# EAGLE board UI&KeyHolder&F7-order (EAGLE 9.4.0)
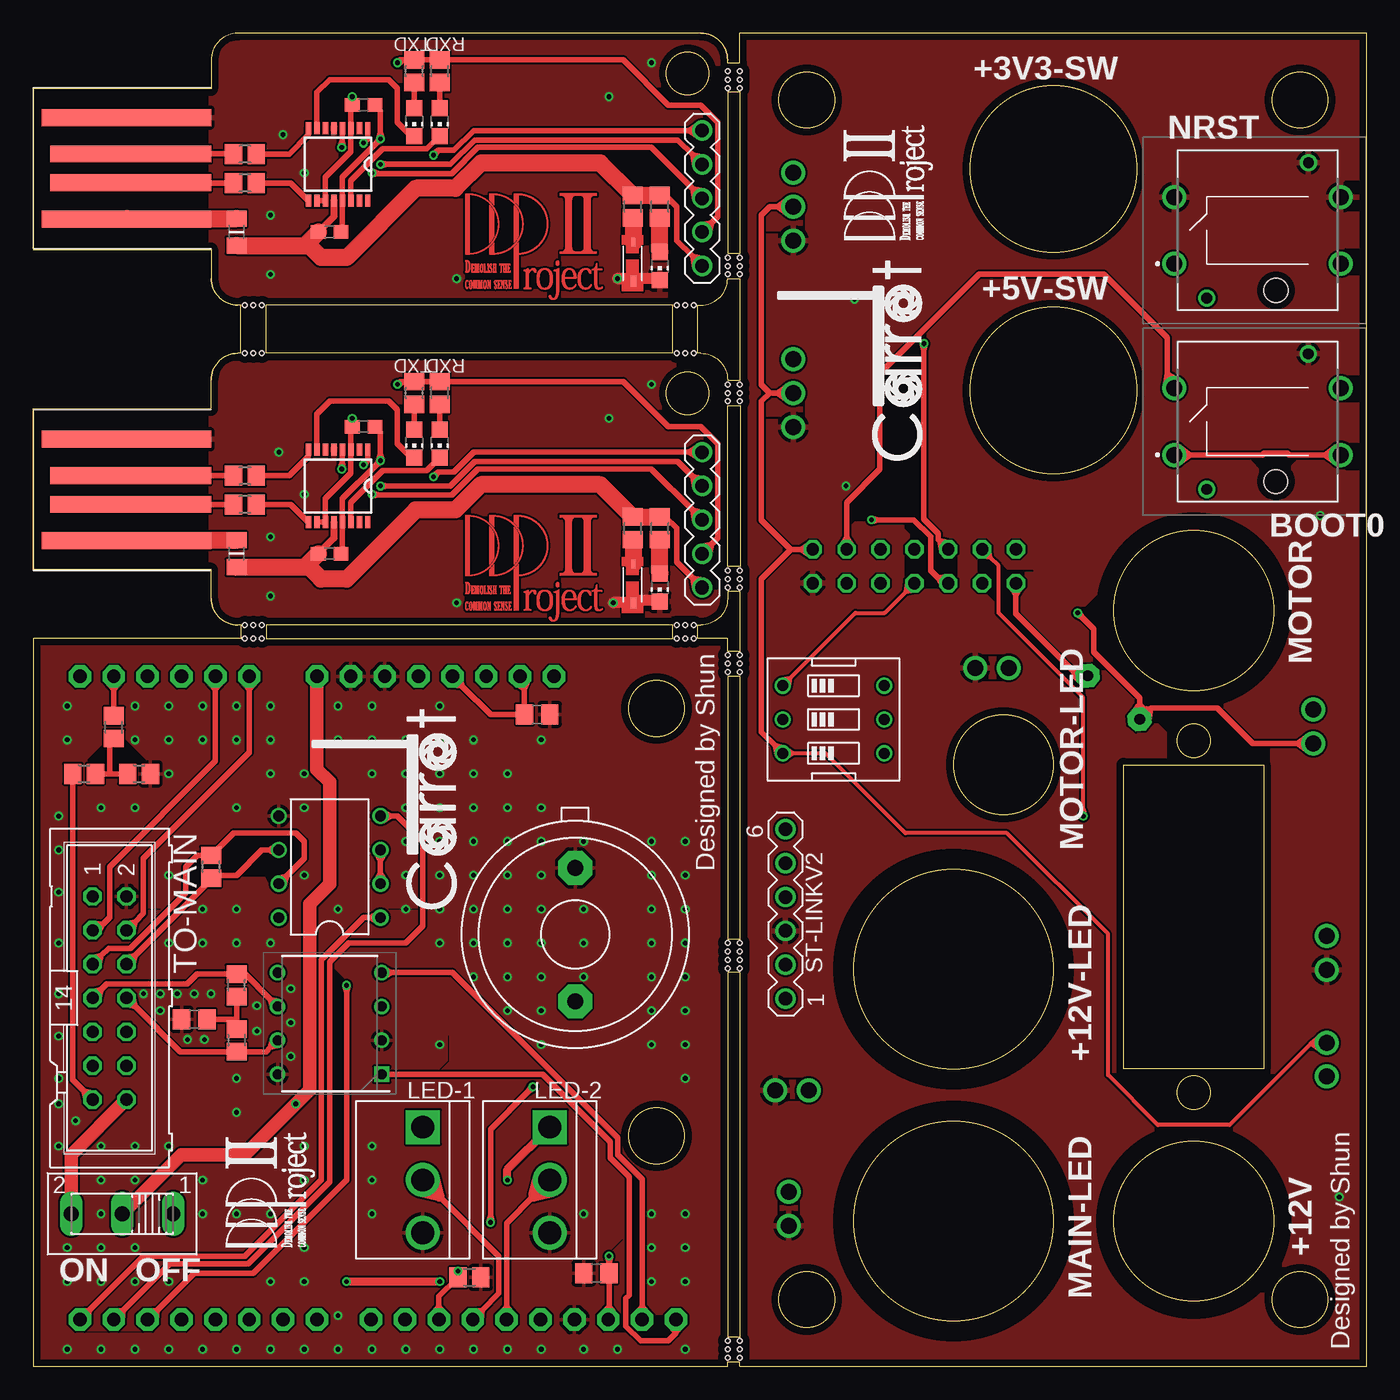
[diagram p0: board, top side]
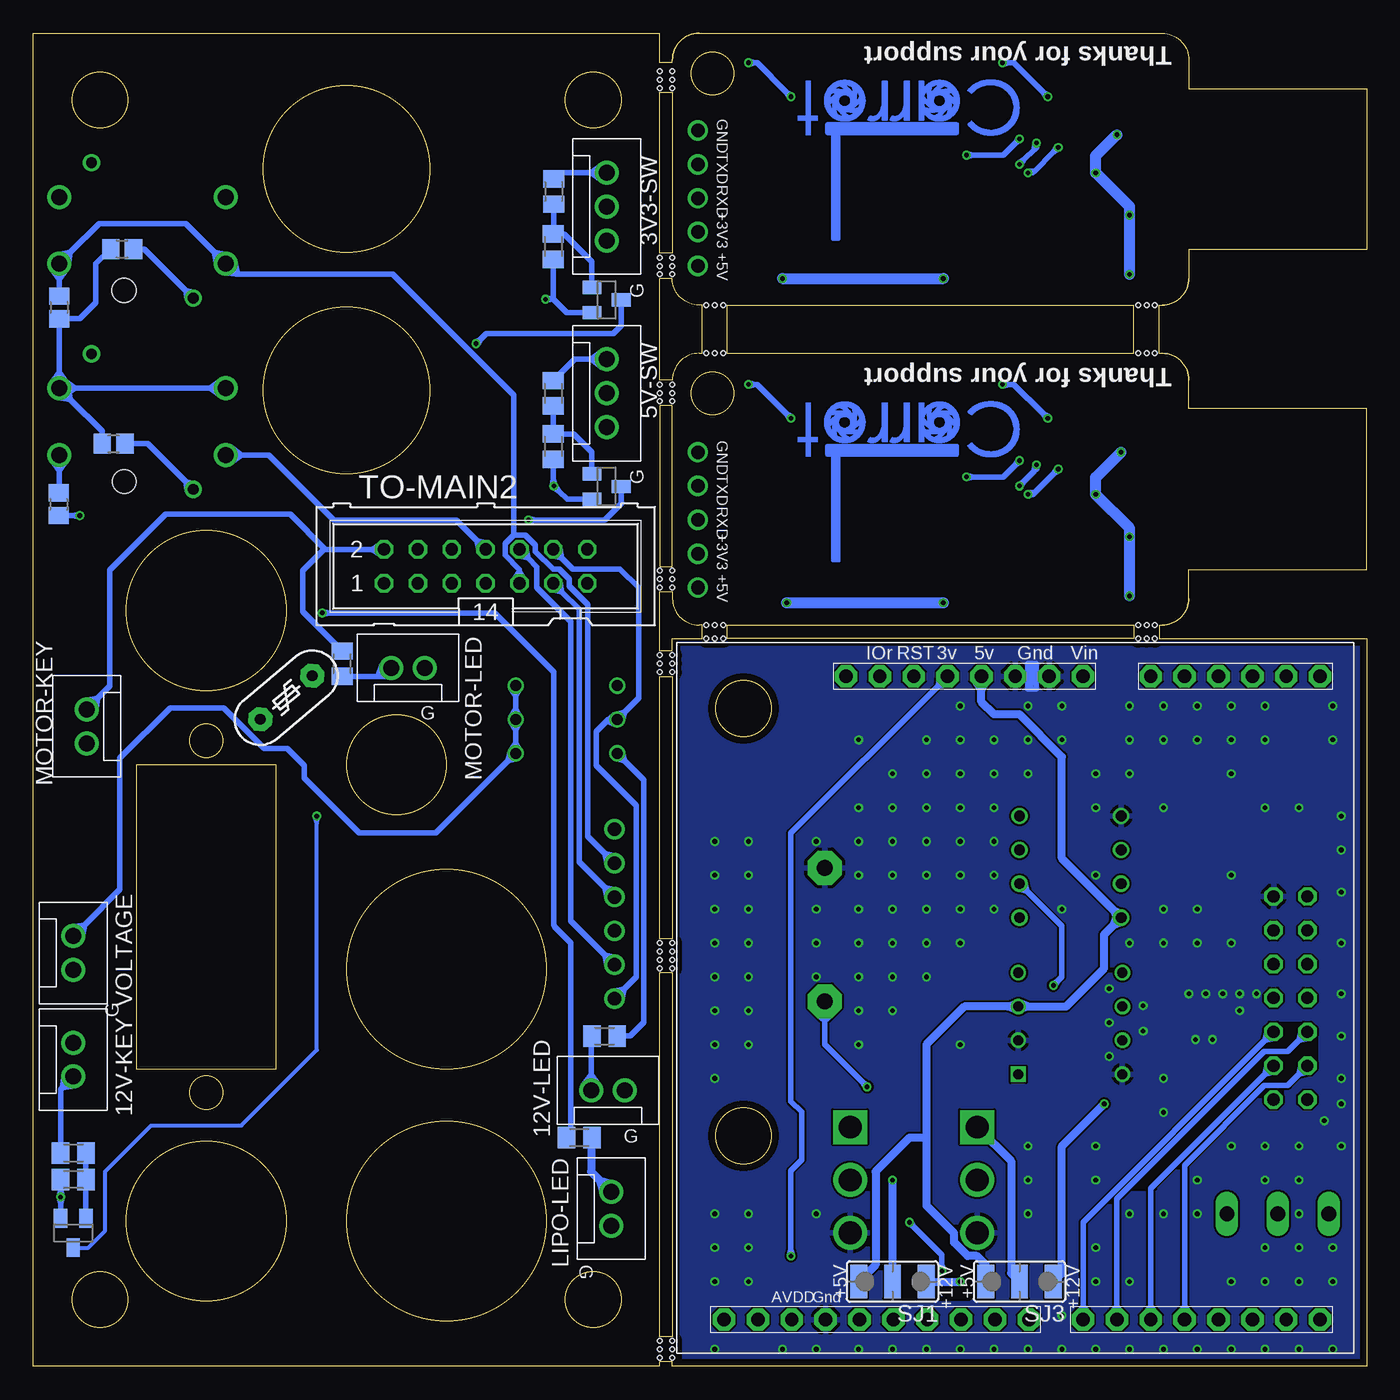
[diagram p1: board, bottom side, seen from below]

Size 100 x 100 mm. Coordinates in mm from the lower left corner, seen from the top.
Outline: 15.34,100 arc90 13.34,98
Outline: 50.07,100 arc-90 52.07,98
Outline: 15.34,79.61 arc-90 13.34,81.61
Outline: 13.34,73.99 arc-90 15.34,75.99
Outline: 15.34,55.61 arc-90 13.34,57.61
Outline: 13.34,57.61 arc90 15.34,55.61
Outline: 15.34,75.99 arc90 13.34,73.99
Outline: 13.34,81.61 arc90 15.34,79.61
Outline: 52.07,98 arc90 50.07,100
Outline: 50.07,100 15.34,100
Outline: 13.34,73.99 13.34,71.83 0,71.83 0,59.77 13.34,59.77 13.34,57.61
Outline: 13.34,73.99 arc-90 15.34,75.99
Outline: 15.34,55.61 arc-90 13.34,57.61
Outline: 13.34,81.61 13.34,83.78 0,83.78 0,95.84 13.34,95.84 13.34,98
Outline: 13.34,81.61 arc90 15.34,79.61
Outline: 15.34,100 arc90 13.34,98
Outline: 15.24,55.61 15.56,55.61 15.56,54.61 0,54.61 0,0 52.07,0 52.07,0.32 53,0.32 53,0 100,0 100,100 53,100 53,97.79 52.07,97.79 52.07,98
Outline: 15.34,79.61 15.56,79.61 15.56,75.99 15.34,75.99
Outline: 81.78,22.32 81.78,45.12 92.28,45.12 92.28,22.32 81.78,22.32
Outline: 50.07,75.99 arc-90 52.07,73.98 53.02,73.98 53.02,81.6 52.07,81.6 arc-90 50.07,79.61 49.85,79.61 49.85,75.99 50.07,75.99
Outline: 17.46,55.61 17.46,54.61 47.94,54.61 47.94,55.61 17.46,55.61
Outline: 49.85,54.61 49.85,55.61 50.07,55.61 arc90 52.07,57.61 52.07,58.1 53.02,58.1 53.02,53.66 52.07,53.66 52.07,54.61 49.85,54.61
Outline: 52.07,72.07 53.02,72.07 53.02,60.01 52.07,60.01 52.07,72.07
Outline: 52.07,32.07 53.02,32.07 53.02,51.75 52.07,51.75 52.07,32.07
Outline: 52.07,29.53 52.07,2.22 53.02,2.22 53.02,29.53 52.07,29.53
Outline: 47.94,75.99 47.94,79.61 17.46,79.61 17.46,75.99 47.94,75.99
Outline: 52.07,83.5 53.02,83.5 53.02,95.57 52.07,95.57 52.07,83.5
Outline: circle at 69.01,29.78 radius 7.5
Outline: circle at 87.03,20.52 radius 1.25
Outline: circle at 69.01,10.89 radius 7.5
Outline: circle at 95,5 radius 2.1
Outline: circle at 87.03,10.89 radius 6
Outline: circle at 58,5 radius 2.1
Outline: circle at 76.5,73.21 radius 6.25
Outline: circle at 76.5,89.84 radius 6.25
Outline: circle at 95,95 radius 2.1
Outline: circle at 58,95 radius 2.1
Outline: circle at 87.03,56.7 radius 6
Outline: circle at 87.03,46.92 radius 1.25
Outline: circle at 72.76,45.12 radius 3.75
Outline: circle at 46.74,49.34 radius 2.1
Outline: circle at 46.74,17.27 radius 2.1
Outline: circle at 49.07,97 radius 1.6
Outline: circle at 49.07,72.99 radius 1.6
Copper layers (1*16): Top 0.035mm / dielectric 1.6mm / Bottom 0.035mm
Design rules "Elecrow_2-layer_PCB_eagle_rule": minimum track width 6mil, minimum drill 12mil, track to track 6mil, track to pad 6mil, pad to pad 6mil, via to via 8mil, smd to smd 0mil, copper to edge 20mil, drill to drill 10mil, minimum pad ring 6mil, minimum via ring 6mil, stop-mask expansion 0mil, vias tented up to drill 100mil, thermal gap 10mil
Holes 0.35 mm at 52.07,0.64 52.07,1.27 52.07,1.91 52.07,31.75 52.07,31.11 52.07,30.48 52.07,29.84 52.07,52.07 52.07,53.34 52.07,52.7 53,52.07 53,53.34 53,52.7 53,31.75 53,31.11 53,30.48 53,29.84 53,0.64 53,1.27 53,1.91 49.53,54.61 48.9,54.61 48.26,54.61 17.14,54.61 15.88,54.61 16.51,54.61 52.07,59.69 52.07,59.05 52.07,73.66 52.07,73.03 52.07,72.39 52.07,81.92 52.07,83.19 52.07,82.55 52.07,95.89 52.07,97.16 52.07,96.52 16.51,55.61 15.88,55.61 17.14,55.61 48.26,55.61 48.9,55.61 49.53,55.61 53,59.69 53,58.42 53,59.05 53,73.66 53,73.03 53,72.39 52.07,58.42 15.88,75.99 16.51,75.99 17.14,75.99 49.53,75.99 48.9,75.99 48.26,75.99 15.88,79.61 16.51,79.61 17.14,79.61 48.26,79.61 48.9,79.61 49.53,79.61 53,81.92 53,82.55 53,83.19 53,96.52 53,97.16 53,95.89
tRestrict: area 60,1.9 to 78,19.9; area 79.7,3.6 to 94.3,18.2; area 60,20.8 to 78,38.8; area 79.7,49.4 to 94.3,64; 85 lines
bRestrict: 6 lines
Milling: 1 lines

## Footprints (pad centres in the part's own frame; a part is rotated, then mirrored left to right if it is on the bottom)
SOT23 = smd 1 x 1.4: 1 -0.95,-1.1; 2 0.95,-1.1; 3 0,1.1
CON3 = drill 1.2: P$1 -2.54,0; P$2 0,0; P$3 2.54,0
CON2 = drill 1.2: P$1 -1.27,0; P$2 1.27,0
R0805 = smd 1.3 x 1.5: 1 -0.85,0; 2 0.85,0
C1608 = smd 1.1 x 1: 1 -0.85,0; 2 0.85,0
C0805 = smd 1.3 x 1.5: 1 -0.95,0; 2 0.95,0
SSOP16 = smd 0.914 x 0.406: 1 -2.718,2.223; 2 -2.718,1.587; 3 -2.718,0.953; 4 -2.718,0.318; 5 -2.718,-0.318; 6 -2.718,-0.953; 7 -2.718,-1.587; 8 -2.718,-2.223; 9 2.718,-2.223; 10 2.718,-1.587; 11 2.718,-0.953; 12 2.718,-0.318; 13 2.718,0.318; 14 2.718,0.953; 15 2.718,1.587; 16 2.718,2.223
DIL08 = drill 0.813: 1 -3.81,-3.81; 2 -1.27,-3.81; 3 1.27,-3.81; 4 3.81,-3.81; 5 3.81,3.81; 6 1.27,3.81; 7 -1.27,3.81; 8 -3.81,3.81
DIP781W56P254L950H533Q8N = drill 0.759 pad 1.159 square: 1 -3.905,3.81 | drill 0.759 pad 1.159: 2 -3.905,1.27; 3 -3.905,-1.27; 4 -3.905,-3.81; 5 3.905,-3.81; 6 3.905,-1.27; 7 3.905,1.27; 8 3.905,3.81
CHIP-LED0805 = smd 1.2 x 1.2: A 0,-1.05; C 0,1.05
B3P-VH = drill 1.7 square: 1 -3.96,0 | drill 1.7: 2 0,0; 3 3.96,0
M0805 = smd 1.3 x 1.6: 1 -0.95,0; 2 0.95,0
255SB = drill 1.118 long: 1 -3.81,0; 2 0,0; 3 3.81,0
ST12303FCG = drill 1.2 pad 1.8: 1 -6.25,-2.5; 2 6.25,-2.5; 3 -6.25,2.5; 4 6.25,2.5 | drill 0.8 pad 1.3: ANODE -3.81,-5.08; CATHODE 3.81,5.08 | hole 1.8: 1.37,-4.5
F/EE17P = drill 1.194 pad 2.54 octagon: 1 -5.004,0; 2 5.004,0
SJ_2W = smd 1.27 x 2.54: 1 -2.54,0; 2 0,0; 3 2.54,0
MA06-1 = drill 1.016: 1 -6.35,0; 2 -3.81,0; 3 -1.27,0; 4 1.27,0; 5 3.81,0; 6 6.35,0
MA05-1 = drill 1.016: 1 -5.08,0; 2 -2.54,0; 3 0,0; 4 2.54,0; 5 5.08,0
EDG-03 = drill 0.813: 1 -2.54,-3.81; 2 0,-3.81; 3 2.54,-3.81; 4 2.54,3.81; 5 0,3.81; 6 -2.54,3.81
ML14 = drill 0.914 octagon: 1 -7.62,-1.27; 2 -7.62,1.27; 3 -5.08,-1.27; 4 -5.08,1.27; 5 -2.54,-1.27; 6 -2.54,1.27; 7 0,-1.27; 8 0,1.27; 9 2.54,-1.27; 10 2.54,1.27; 11 5.08,-1.27; 12 5.08,1.27; 13 7.62,-1.27; 14 7.62,1.27
F7-DISCO-ARDUINO = drill 1 pad 1.676 octagon: 3V 20.32,50.8; 5V 22.86,50.8; AVDD 8.636,2.54; GND1 11.176,2.54; GND@1 27.94,50.8; GND@2 25.4,50.8; IOREF 15.24,50.8; PA4 38.1,50.8; PA6 35.56,50.8; PA11 21.336,2.54; PA12 13.716,2.54; PB8 3.556,2.54; PB9 6.096,2.54; PB14 16.256,2.54; PB15 18.796,2.54; PC2 40.64,50.8; PC6 45.72,2.54; PC7 48.26,2.54; PC8 35.56,2.54; PF6 40.64,2.54; PF7 33.02,2.54; PF8 45.72,50.8; PF9 48.26,50.8; PF10 43.18,50.8; PH6 23.876,2.54; PJ0 38.1,2.54; PJ1 43.18,2.54; PJ3 30.48,2.54; PJ4 26.416,2.54; RESERVED 12.7,50.8; RESET 17.78,50.8; VIN 30.48,50.8
USB = smd 1.27 x 12.065: D+ 7.176,6.032; D- 5.016,6.032 | smd 1.27 x 12.7: GND 9.906,6.35; VCC 2.286,6.35
NSSW157T = smd 0.61 x 0.305: ANODE 3.683,0.711 | smd 0.813 x 0.406: CATHODE 0.762,0.711
MF-5/1 = drill 0.813 pad 1.778 octagon: 1 -2.54,0; 2 2.54,0
F0805MP = smd 1.2 x 1.5: 1 -1.016,0; 2 1.016,0

## Placement (x,y rotation side)
3V3-FET  BSS123  [SOT23]  57,80 270 bottom
3V3-SW  XH-3  [CON3]  57,87 270 bottom
5V-FET  BSS123  [SOT23]  57,66 270 bottom
5V-SW  XH-3  [CON3]  57,73 270 bottom
12V-FET  BSS123  [SOT23]  97,10 180 bottom
12V-KEY  XH-2  [CON2]  97,23 270 bottom
12V-LED  XH-2  [CON2]  56.9,20.7 0 bottom
BAT-JP1  0  [R0805]  6.03,47.94 90 top
BAT-R1  2.2k  [R0805]  3.81,44.45 0 top
BAT-R2  330  [R0805]  7.94,44.45 0 top
BUZ-R1  4.7k  [R0805]  32.7,6.67 0 top
C1  0.1u  [C1608]  22.23,85.09 0 top
C2  0.1u  [C1608]  24.77,94.61 0 top
C3  0.1u  [C1608]  22.23,60.96 0 top
C4  0.1u  [C1608]  24.77,70.48 0 top
CAN-C1  4.7u  [C0805]  12.06,26.04 0 top
CAN-R1  51  [R0805]  15.24,24.45 270 top
CAN-R2  51  [R0805]  15.24,28.57 90 top
FT-R1  330  [R0805]  28.57,97.16 90 top
FT-R2  330  [R0805]  30.48,97.16 90 top
FT-R3  27  [R0805]  15.88,90.93 180 top
FT-R4  27  [R0805]  15.88,88.77 180 top
FT-R5  330  [R0805]  46.99,87 90 top
FT-R6  100  [R0805]  44.96,87 90 top
FT-R7  330  [R0805]  28.57,73.03 90 top
FT-R8  330  [R0805]  30.48,73.03 90 top
FT-R9  27  [R0805]  15.88,66.8 180 top
FT-R10  27  [R0805]  15.88,64.64 180 top
FT-R11  330  [R0805]  46.99,62.87 90 top
FT-R12  100  [R0805]  44.96,62.87 90 top
IC1  FT230XS  [SSOP16]  22.86,66.04 270 top
IC2  LTC485N  [DIL08]  22.23,37.47 90 top
IC3  FT230XS  [SSOP16]  22.86,90.17 270 top
IC4  MCP2561-E_P  [DIP781W56P254L950H533Q8N]  22.23,25.72 180 top
LED1  [CHIP-LED0805]  46.99,58.42 180 top
LED3  [CHIP-LED0805]  46.99,82.55 180 top
LED-1  [B3P-VH]  29.21,13.97 270 top
LED-2  [B3P-VH]  38.73,13.97 270 top
LED-R1  ?  [M0805]  59.05,17.14 0 bottom
LED-R2  ?  [M0805]  76.83,52.7 270 bottom
LED-R3  ?  [M0805]  57.15,24.77 180 bottom
LIPO-LED  XH-2  [CON2]  56.66,11.81 270 bottom
MOTOR-KEY  XH-2  [CON2]  96,48 90 bottom
MOTOR-LED  XH-2  [CON2]  71.9,52.4 0 bottom
R1  4.7k  [M0805]  97,14 0 bottom
R2  1k  [M0805]  60.97,88.13 90 bottom
R3  4.7k  [M0805]  61,69 90 bottom
R4  4.7k  [M0805]  61,84 90 bottom
R5  1k  [M0805]  61,73 90 bottom
R6  1k  [M0805]  97,16 180 bottom
RS485-S  100  [R0805]  13.34,37.47 90 top
RX-LED  [CHIP-LED0805]  30.48,93.34 180 top
RX-LED1  [CHIP-LED0805]  30.48,69.22 180 top
S1  [255SB]  6.67,11.43 180 top
S3  ST12-303FCG  [ST12303FCG]  91.81,70.88 0 top
S4  ST12-303FCG  [ST12303FCG]  91.82,85.22 0 top
SG1  F/EE17P  [F/EE17P]  40.64,32.38 90 top
SJ1  [SJ_2W]  35.56,6.35 180 bottom
SJ3  [SJ_2W]  26.04,6.35 180 bottom
ST-LINKV2  [MA06-1]  56.41,33.93 90 top
STM-C1  0.1u  [C0805]  37.78,48.9 180 top
STM-C2  0.1u  [C0805]  42.23,6.99 0 top
STM-R1  4.7K  [R0805]  98.06,79.44 270 bottom
STM-R2  4.7K  [R0805]  98.1,64.67 270 bottom
SV1  [MA05-1]  50.16,87.63 90 top
SV2  [MA05-1]  50.16,63.5 90 top
SW1  [EDG-03]  60.02,48.52 270 top
SW-R1  330  [R0805]  93.34,83.82 0 bottom
SW-R2  330  [R0805]  93.98,69.22 0 bottom
TO-MAIN  [ML14]  5.71,27.62 270 top
TO-MAIN2  [ML14]  66.08,60.02 0 bottom
TX-LED  [CHIP-LED0805]  28.57,93.34 180 top
TX-LED1  [CHIP-LED0805]  28.57,69.22 180 top
U$1  F7-DISCO-ARDUINO  [F7-DISCO-ARDUINO]  51.75,0.95 0 bottom
U$2  USB-PAD  [USB]  13.34,83.78 90 top
U$3  I-05318_ＮＳＳＷ１５７Ｔ  [NSSW157T]  45.72,80.64 90 top
U$4  [CARROT-SILK]  31.75,34.29 90 top
U$5  [CARROT]  26.04,96.52 180 bottom
U$6  [DDPROJECT2-TOP]  32.38,80.01 0 top
U$7  [CARROT-SILK]  66.67,67.94 90 top
U$8  [DDPROJECT2]  69.22,83.82 90 top
U$9  [DDPROJECT2]  22.86,8.26 90 top
U$10  USB-PAD  [USB]  13.34,59.65 90 top
U$11  I-05318_ＮＳＳＷ１５７Ｔ  [NSSW157T]  45.72,56.52 90 top
U$12  [CARROT]  26.04,72.39 180 bottom
U$13  [DDPROJECT2-TOP]  32.38,55.88 0 top
USB-POLY  400mA  [MF-5/1]  81.03,50.16 40 bottom
USB-POLY1  350mA  [F0805MP]  15.24,85.09 90 top
USB-POLY2  350mA  [F0805MP]  15.24,60.96 90 top
VOLTAGE  XH-2  [CON2]  97,31 270 bottom

## Library data of the parts
3V3-FET 5V-FET 12V-FET = transistor-small-signal
3V3-SW 5V-SW 12V-KEY 12V-LED BAT-JP1 BAT-R1 BAT-R2 BUZ-R1 CAN-R1 CAN-R2 FT-R1-FT-R12 LIPO-LED MOTOR-KEY MOTOR-LED RS485-S STM-R1 STM-R2 SW-R1 SW-R2 VOLTAGE = 0@Mylibrary-main1
C1-C4 LED-R1-LED-R3 R1-R6 = resistor
CAN-C1 STM-C1 STM-C2 = rcl
IC1 IC3 = ftdichip
IC2 = 0linear-technology; OC_FARNELL: unknown; OC_NEWARK: unknown
IC4 = MCP2561-E_P; ALLIED_NUMBER: 70415102; ALLIED_PRICE-STOCK: https://www.alliedelec.com/microchip-technology-inc-mcp2561-e-p/70415102/; DESCRIPTION: CAN Transceiver 1Mbps 5V 125degC PDIP8 Microchip MCP2561-E/P, CAN Transceiver 1-channel IEC 61000-4-2, 8-Pin PDIP; HEIGHT: 5.334mm; MANUFACTURER_NAME: Microchip; MANUFACTURER_PART_NUMBER: MCP2561-E/P; MOUSER_PART_NUMBER: 579-MCP2561-E/P; MOUSER_PRICE-STOCK: https://www.mouser.com/Search/Refine.aspx?Keyword=579-MCP2561-E%2FP; RS_PART_NUMBER: 1652124; RS_PRICE-STOCK: http://uk.rs-online.com/web/p/products/1652124
LED1 LED3 RX-LED RX-LED1 TX-LED TX-LED1 = led
LED-1 LED-2 = jst-vh
S1 = 0switch
S3 S4 = ST12-303FCG; DESCRIPTION: Pushbutton Switch; HEIGHT: 8mm; MANUFACTURER_NAME: Switronic; MANUFACTURER_PART_NUMBER: ST12-303FCG
SG1 = buzzer; OC_FARNELL: unknown; OC_NEWARK: unknown
SJ1 SJ3 = jumper
ST-LINKV2 SV1 SV2 = 0con-lstb; OC_FARNELL: unknown; OC_NEWARK: unknown
SW1 = 0special
TO-MAIN TO-MAIN2 = 0con-harting-ml; OC_FARNELL: unknown; OC_NEWARK: unknown
U$1 = F7-DISCO
U$2 U$10 = USB-PAD
U$3 U$11 = Akizuki
U$4-U$9 U$12 U$13 = Carrot
USB-POLY USB-POLY1 USB-POLY2 = polyswitch

## Nets
3V3-SW: 3V3-FET.3 TO-MAIN2.6
5V-SW: 5V-FET.3 TO-MAIN2.5
12V-SW: 12V-FET.3 TO-MAIN2.4
+3V3-FT: C2.1 FT-R1.2 FT-R2.2 IC3.3 IC3.10 IC3.11 SV1.2
+3V3-FT1: C4.1 FT-R7.2 FT-R8.2 IC1.3 IC1.10 IC1.11 SV2.2
+3V3S: S3.3 S3.4 ST-LINKV2.1 STM-R1.2 SW1.2 SW-R1.1 SW-R2.1 TO-MAIN2.12
+5V: IC2.8 IC4.3 SJ1.3 SJ3.3 U$1.5V
+5VS: SW1.1 TO-MAIN2.7
+9V: S1.2 SJ1.1 SJ3.1 U$1.VIN
+12V: S1.3 TO-MAIN.14
+12VS: TO-MAIN2.3
BOOT0: S3.1 S3.2 STM-R2.1 TO-MAIN2.8
BUZZER1: BUZ-R1.1 SG1.1 U$1.PA11
CAN1-RX: IC4.1 U$1.PB8
CAN1-TX: IC4.4 U$1.PB9
CAN-H: CAN-R1.2 IC4.7 TO-MAIN.8
CAN-L: CAN-R2.2 IC4.6 TO-MAIN.7
EMERGENCY: TO-MAIN.3 U$1.PA4
F7-F4-SIG1: TO-MAIN.12 U$1.PC8
F7-F4-SIG2: TO-MAIN.11 U$1.PJ0
F7-RS-SIG1: TO-MAIN.10 U$1.PJ3
F7-RS-SIG2: TO-MAIN.9 U$1.PF7
GND: BAT-R2.2 BUZ-R1.2 CAN-C1.1 IC2.5 IC4.2 IC4.8 LED-1.3 LED-2.3 SG1.2 STM-C1.1 STM-C2.1 TO-MAIN.2 U$1.GND1 U$1.GND@1 U$1.GND@2
GND2: 3V3-FET.2 3V3-SW.P$3 5V-FET.2 5V-SW.P$3 12V-FET.2 12V-LED.P$2 LIPO-LED.P$2 MOTOR-LED.P$2 R1.1 R3.1 R4.1 S3.CATHODE S4.3 S4.4 S4.CATHODE ST-LINKV2.3 STM-R2.2 TO-MAIN2.13 VOLTAGE.P$2
GNDA: IC3.5 LED3.C U$2.GND U$3.CATHODE
GNDA1: IC1.5 LED1.C U$10.GND U$11.CATHODE
HUMAN1: TO-MAIN.4 U$1.PA6
LED1: LED-1.2 U$1.PB15
LED2: LED-2.2 U$1.PB14
LIPO: BAT-R1.1 TO-MAIN.13
LIPO2: LED-R1.1 MOTOR-KEY.P$1 USB-POLY.1
LIPO-ADC: BAT-JP1.2 U$1.PF8
MOTOR-FET: LED-R2.1 MOTOR-KEY.P$2 TO-MAIN2.2
N$1: LED-2.1 SJ1.2
N$2: 3V3-FET.1 R2.1 R4.2
N$3: 5V-FET.1 R3.2 R5.1
N$4: CAN-C1.2 CAN-R1.1 CAN-R2.1
N$5: FT-R9.1 IC1.8
N$6: SW1.4 SW1.5 SW1.6 VOLTAGE.P$1
N$7: 12V-FET.1 R1.2 R6.1
N$8: 12V-KEY.P$2 R6.2
N$9: 3V3-SW.P$1 R2.2
N$10: 5V-SW.P$1 R5.2
N$11: S4.ANODE SW-R1.2
N$12: S3.ANODE SW-R2.2
N$13: TO-MAIN2.1 USB-POLY.2
N$14: LED-R1.2 LIPO-LED.P$1
N$15: LED-R2.2 MOTOR-LED.P$1
N$16: 12V-LED.P$1 LED-R3.2
N$17: FT-R10.1 IC1.9
N$18: FT-R8.1 RX-LED1.A
N$19: FT-R2.1 RX-LED.A
N$20: FT-R1.1 TX-LED.A
N$21: FT-R7.1 TX-LED1.A
N$22: FT-R3.2 U$2.D+
N$23: FT-R3.1 IC3.8
N$24: FT-R4.1 IC3.9
N$25: FT-R4.2 U$2.D-
N$26: C1.2 C2.2 IC3.13 SV1.5
N$27: U$2.VCC USB-POLY1.2
N$28: FT-R5.1 LED3.A
N$29: FT-R6.1 U$3.ANODE
N$30: FT-R9.2 U$10.D+
N$31: FT-R10.2 U$10.D-
N$32: C3.2 C4.2 IC1.13 SV2.5
N$33: U$10.VCC USB-POLY2.2
N$34: FT-R11.1 LED1.A
N$35: FT-R12.1 U$11.ANODE
N$36: BAT-JP1.1 BAT-R1.2 BAT-R2.1
N$37: LED-1.1 SJ3.2
NRST: S4.1 S4.2 ST-LINKV2.5 STM-R1.1 TO-MAIN2.9
RS-CHA: IC2.6 RS485-S.1 TO-MAIN.6
RS-CHB: IC2.7 RS485-S.2 TO-MAIN.5
RS-SIG: IC2.2 IC2.3 U$1.PJ1
RXD: IC3.4 SV1.3
RXD1: IC1.4 SV2.3
RXLED: IC3.14 RX-LED.C
RXLED1: IC1.14 RX-LED1.C
SWCLK: ST-LINKV2.2 TO-MAIN2.10
SWDIO: ST-LINKV2.4 TO-MAIN2.11
TXD: IC3.1 SV1.4
TXD1: IC1.1 SV2.4
TXLED: IC3.7 TX-LED.C
TXLED1: IC1.7 TX-LED1.C
USART6-RX: IC2.1 U$1.PC7
USART6-TX: IC2.4 U$1.PC6
V+: C1.1 FT-R5.2 FT-R6.2 IC3.12 SV1.1 USB-POLY1.1
V+1: C3.1 FT-R11.2 FT-R12.2 IC1.12 SV2.1 USB-POLY2.1
VCC: STM-C1.2 STM-C2.2 U$1.3V U$1.AVDD U$1.IOREF
VDD: 3V3-SW.P$2 5V-SW.P$2 12V-KEY.P$1 LED-R3.1 SW1.3 TO-MAIN2.14

## Tracks (layer width: path | path; a pad name or v marks a point on that pad's centre or on a via)
3V3-SW  (via drill 0.35)
  Top 0.406: TO-MAIN2.6 67.97,61.93 | 67.97,61.93 67.87,62.04 67.87,62.46 66.79,63.54 66.79,76.19 | 66.79,76.19 v66.79,76.72 | 66.79,76.19 66.91,76.69 v66.79,76.72 | 66.79,76.19 66.67,76.69 v66.79,76.72 | 67.97,61.93 68.15,61.17 TO-MAIN2.6 | 67.97,61.93 68.73,61.76 TO-MAIN2.6
  Bottom 0.406: 3V3-FET.3 55.9,78.08 56.52,77.47 66.04,77.47 66.42,77.09 | 66.42,77.09 v66.79,76.72 | 66.42,77.09 66.69,76.65 v66.79,76.72 | 66.42,77.09 66.86,76.83 v66.79,76.72
5V-SW  (via drill 0.35)
  Top 0.406: v62.87,63.5 63.39,63.5 | 63.39,63.5 66.04,63.5 67.31,62.23 67.31,59.69 67.82,59.18 | 67.82,59.18 68.25,58.74 TO-MAIN2.5 | 63.39,63.5 62.89,63.62 v62.87,63.5 | 63.39,63.5 62.89,63.38 v62.87,63.5 | 67.82,59.18 68.2,58.51 TO-MAIN2.5 | 67.82,59.18 68.59,59.23 TO-MAIN2.5
  Bottom 0.406: 5V-FET.3 55.9,64.79 55.88,64.77 57.15,63.5 62.34,63.5 | 62.34,63.5 v62.87,63.5 | 62.34,63.5 62.84,63.38 v62.87,63.5 | 62.34,63.5 62.84,63.62 v62.87,63.5
12V-SW  (via drill 0.35)
  Top 0.305: v78.74,41.27 78.74,41.8 | 78.74,41.8 78.74,50.16 72.39,56.52 72.39,60.05 71.81,60.64 | 71.81,60.64 TO-MAIN2.4 | 78.74,41.8 78.58,41.33 v78.74,41.27 | 78.74,41.8 78.91,41.33 v78.74,41.27 | 71.81,60.64 71.69,61.37 TO-MAIN2.4 | 71.81,60.64 71.07,60.76 TO-MAIN2.4
  Bottom 0.305: 12V-FET.3 95.88,8.9 94.61,10.16 94.61,14.61 91.16,18.06 84.39,18.06 78.74,23.71 78.74,40.75 | 78.74,40.75 v78.74,41.27 | 78.74,40.75 78.91,41.22 v78.74,41.27 | 78.74,40.75 78.58,41.22 v78.74,41.27
+3V3-FT  (via drill 0.35)
  Top 0.406: IC3.10 IC3.11 21.91,89.22 23.81,91.12 IC3.3 23.81,94.51 C2.1 23.91,94.72 | 23.91,94.72 v23.91,95.25 | SV1.2 50.88,85.81 | 50.88,85.81 51.33,86.26 51.33,93.34 50.06,94.61 47.62,94.61 44.23,98 FT-R2.2 FT-R1.2 27.78,98 | v27.3,97.79 27.52,98 27.78,98 | 23.91,94.72 24.04,95.22 v23.91,95.25 | 23.91,94.72 23.79,95.22 v23.91,95.25 | 27.78,98 27.28,97.91 v27.3,97.79 | 27.78,98 27.38,97.69 v27.3,97.79 | 50.88,85.81 50.05,85.64 SV1.2 | 50.88,85.81 50.71,84.98 SV1.2
  Bottom 0.406: v23.91,95.25 24.29,95.62 | 24.29,95.62 26.45,97.79 26.78,97.79 | 26.78,97.79 v27.3,97.79 | 24.29,95.62 23.85,95.36 v23.91,95.25 | 24.29,95.62 24.02,95.19 v23.91,95.25 | 26.78,97.79 27.28,97.67 v27.3,97.79 | 26.78,97.79 27.28,97.91 v27.3,97.79
+3V3-FT1  (via drill 0.35)
  Top 0.406: IC1.10 IC1.11 21.91,65.09 23.81,66.99 IC1.3 23.81,70.38 C4.1 23.91,70.59 | 23.91,70.59 v23.91,71.12 | SV2.2 50.88,61.68 | 50.88,61.68 51.33,62.13 51.33,69.22 50.06,70.48 47.62,70.48 44.23,73.88 FT-R8.2 FT-R7.2 27.78,73.88 | v27.3,73.66 27.52,73.88 27.78,73.88 | 23.91,70.59 24.04,71.09 v23.91,71.12 | 23.91,70.59 23.79,71.09 v23.91,71.12 | 27.78,73.88 27.28,73.78 v27.3,73.66 | 27.78,73.88 27.38,73.56 v27.3,73.66 | 50.88,61.68 50.05,61.51 SV2.2 | 50.88,61.68 50.71,60.85 SV2.2
  Bottom 0.406: v23.91,71.12 24.29,71.49 | 24.29,71.49 26.45,73.66 26.78,73.66 | 26.78,73.66 v27.3,73.66 | 24.29,71.49 23.85,71.23 v23.91,71.12 | 24.29,71.49 24.02,71.06 v23.91,71.12 | 26.78,73.66 27.28,73.54 v27.3,73.66 | 26.78,73.66 27.28,73.78 v27.3,73.66
+3V3S
  Top 0.406: TO-MAIN2.12 61,62.2 | 61,62.2 61,64.81 63.5,67.31 63.5,74.47 70.95,81.92 80.3,81.92 85.05,77.17 85.05,74.46 | 85.05,74.46 85.05,73.89 S3.3 | 61,62.2 60.59,61.54 TO-MAIN2.12 | 61,62.2 61.41,61.54 TO-MAIN2.12 | 85.05,74.46 84.88,73.5 S3.3 | 85.05,74.46 85.9,73.98 S3.3
  Bottom 0.406: ST-LINKV2.1 55.69,28.3 | 55.69,28.3 54.78,29.21 54.78,42.08 57.78,45.09 57.78,47.62 57.01,48.4 | 57.01,48.4 56.89,48.52 SW1.2 | SW-R1.1 95.31,82.7 95.31,79.8 96.52,78.59 STM-R1.2 98.06,74.58 | S3.3 86.77,73.38 | 86.77,73.38 96.86,73.38 | 96.86,73.38 S3.4 | S3.4 97.22,72.53 | 97.22,72.53 94.83,70.14 SW-R2.1 | SW1.2 55.63,49.09 | 55.63,49.09 54.61,50.12 54.61,58.42 56,59.81 59.53,59.81 60.35,60.64 | 60.35,60.64 TO-MAIN2.12 | S3.4 98.06,74.58 | 57.01,48.4 56.46,48.84 SW1.2 | 57.01,48.4 56.35,48.14 SW1.2 | 55.63,49.09 55.81,48.41 SW1.2 | 55.63,49.09 56.31,48.91 SW1.2 | 60.35,60.64 61.11,60.81 TO-MAIN2.12 | 60.35,60.64 60.53,61.4 TO-MAIN2.12 | 96.86,73.38 97.66,72.81 S3.4 | 96.86,73.38 97.66,73.94 S3.4 | 97.22,72.53 98.18,72.69 S3.4 | 97.22,72.53 97.38,73.49 S3.4 | 98.06,74.58 97.5,73.78 S3.4 | 98.06,74.58 98.63,73.78 S3.4 | 86.77,73.38 85.97,73.94 S3.3 | 86.77,73.38 85.97,72.81 S3.3 | 55.69,28.3 55.87,27.47 ST-LINKV2.1 | 55.69,28.3 56.52,28.13 ST-LINKV2.1
+5V
  Bottom 0.61: IC4.3 25.37,26.99 | 25.37,26.99 22.54,26.99 19.68,29.84 19.68,32.38 18.99,33.08 | 18.99,33.08 IC2.8 | IC2.8 18.99,34.23 | 18.99,34.23 22.86,38.1 22.86,45.72 26.04,48.9 27.94,48.9 28.89,49.85 28.89,50.75 | 28.89,50.75 U$1.5V | IC4.3 26.89,26.99 | 26.89,26.99 30.16,26.99 33.02,24.13 33.02,17.14 | 33.02,17.14 33.02,12.06 30.94,9.99 30.94,9.29 29.93,8.28 29.23,8.28 28.57,7.62 SJ3.3 | 33.02,17.14 34.29,17.14 36.83,14.61 36.83,7.62 SJ1.3 | 28.89,50.75 29.34,51.47 U$1.5V | 28.89,50.75 28.44,51.47 U$1.5V | 25.37,26.99 26.03,26.73 IC4.3 | 25.37,26.99 26.03,27.24 IC4.3 | 26.89,26.99 26.23,27.24 IC4.3 | 26.89,26.99 26.23,26.73 IC4.3 | 18.99,33.08 18.7,33.77 IC2.8 | 18.99,33.08 18.3,33.37 IC2.8 | 18.99,34.23 18.3,33.94 IC2.8 | 18.99,34.23 18.7,33.54 IC2.8